# KiCad board motordecoder2-k3066v3-p.kicad_pcb
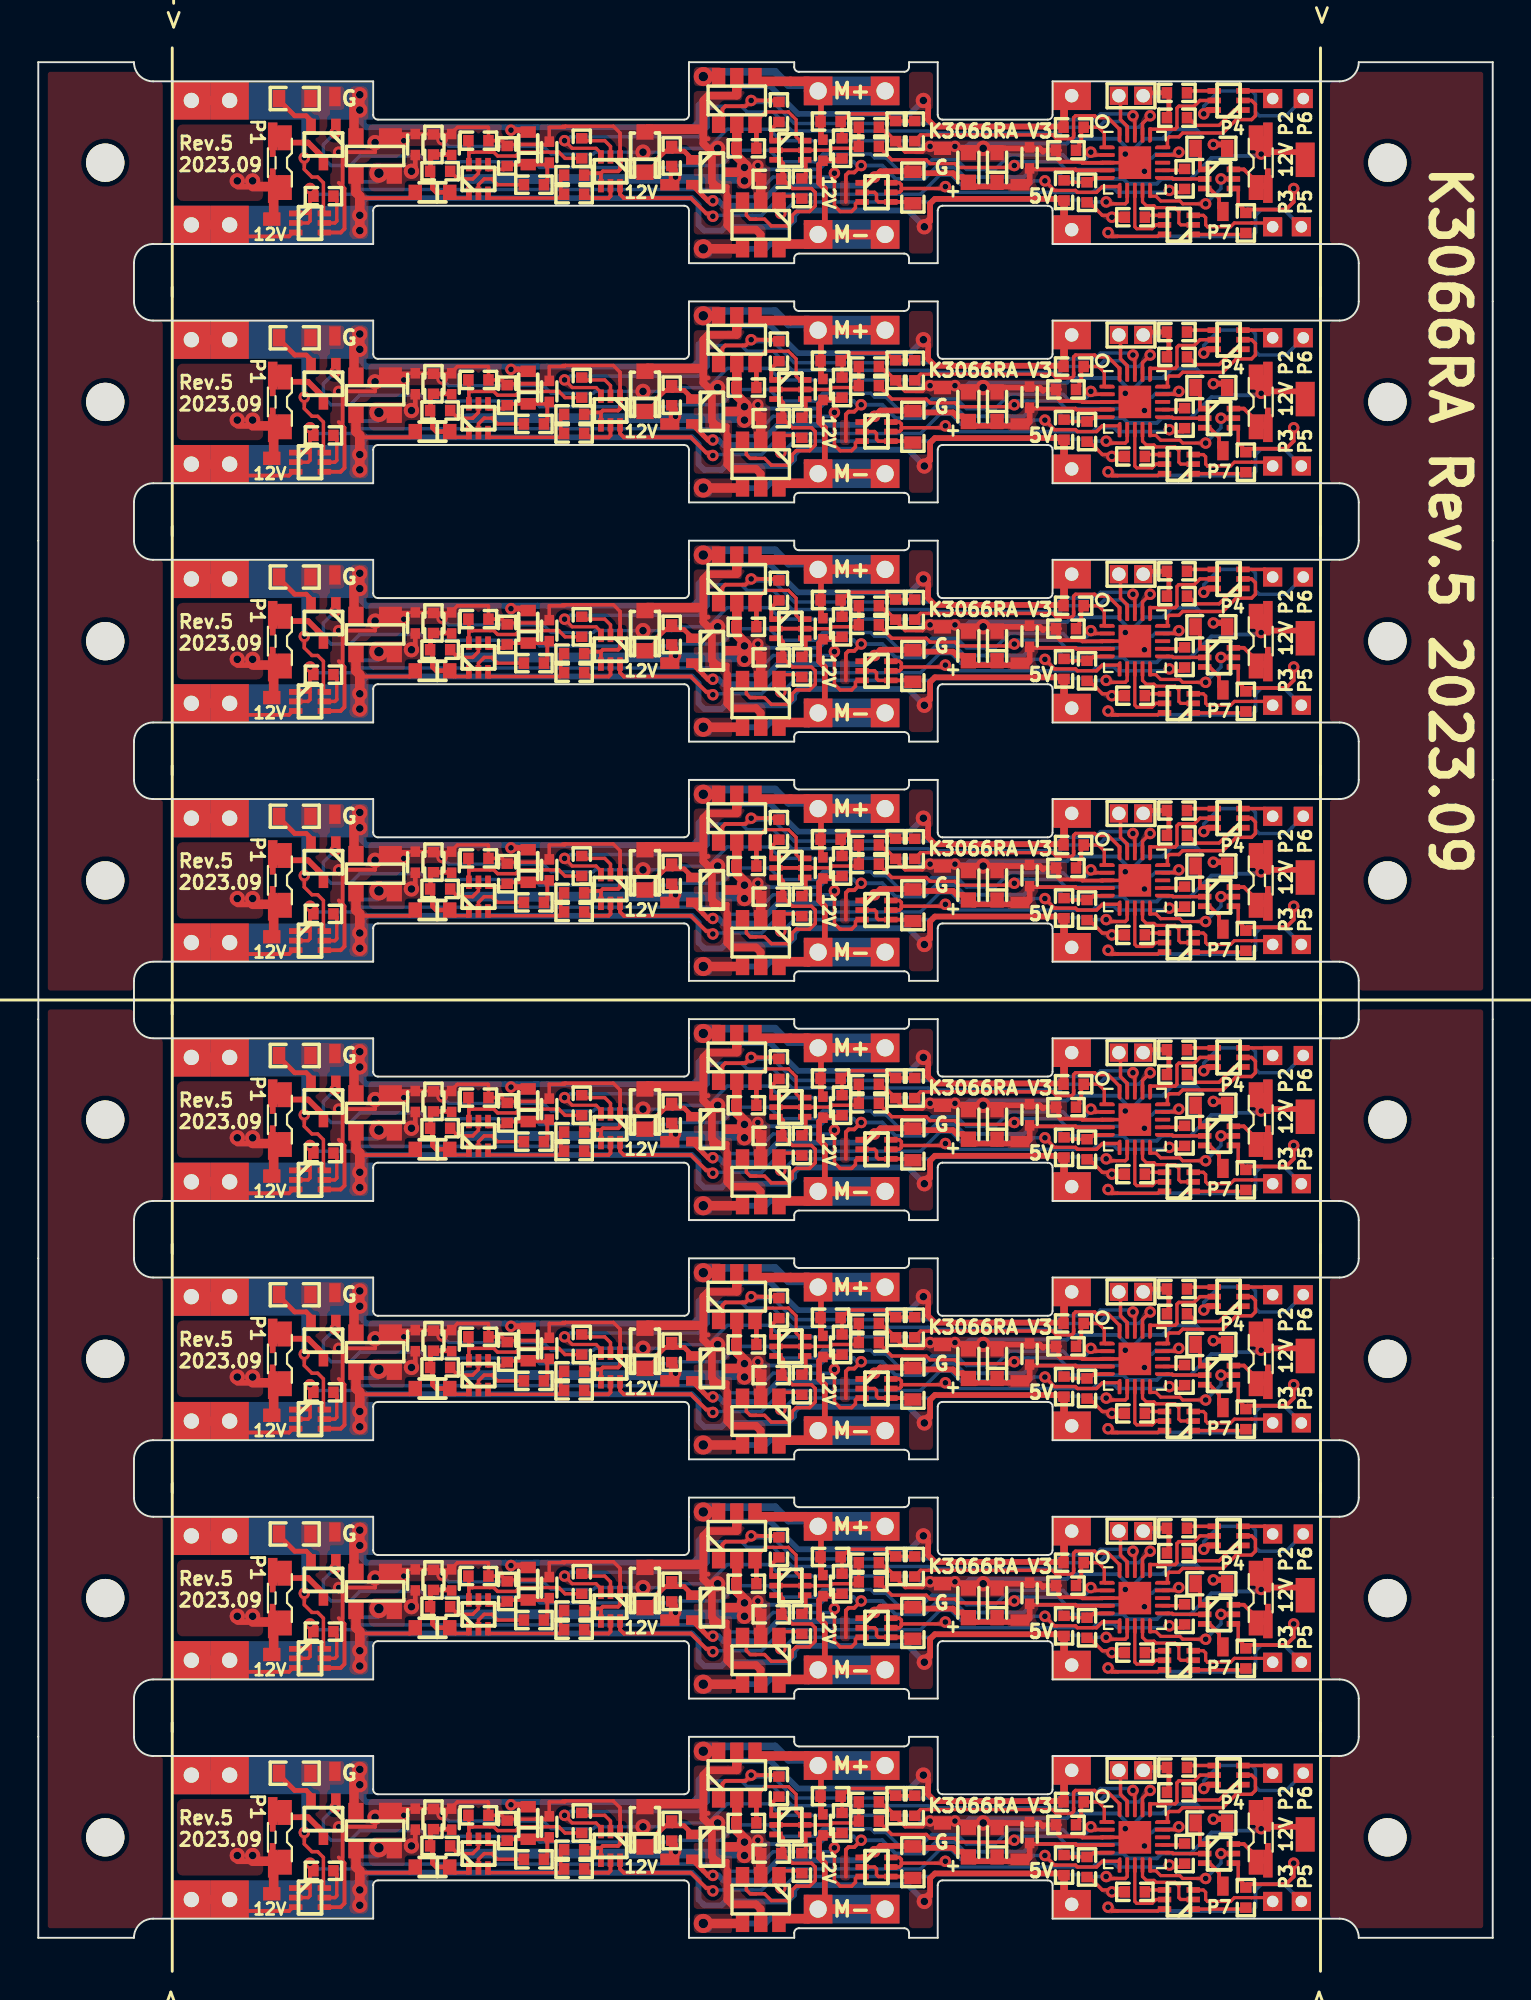
[diagram p0: board, top side]
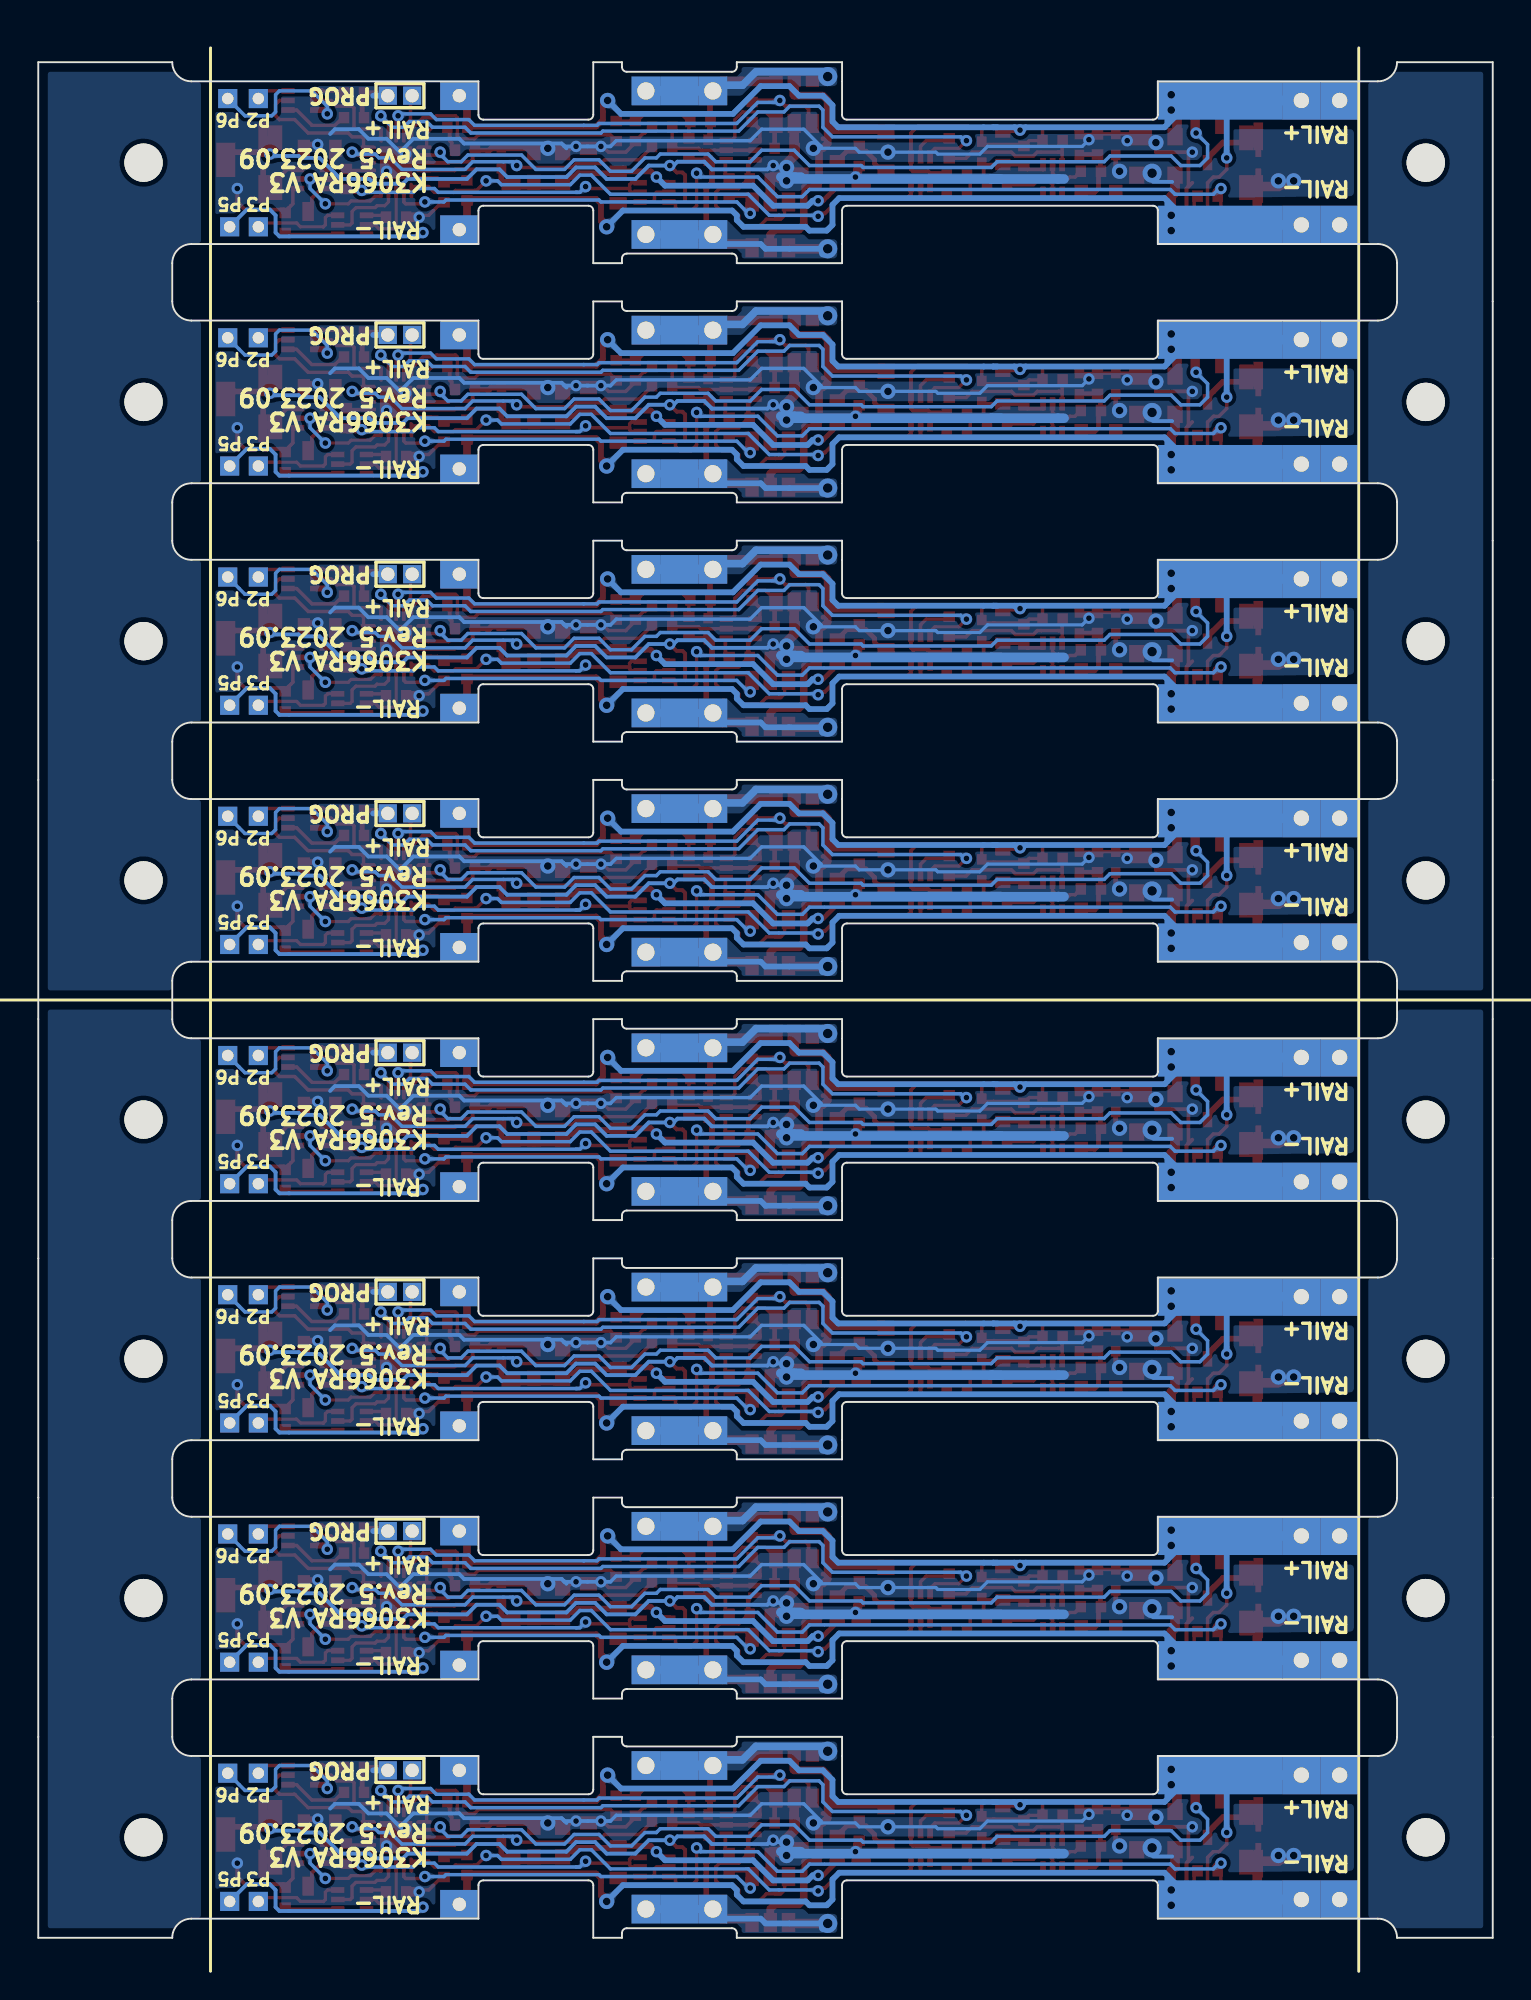
[diagram p1: board, bottom side, seen from below]

Outline 76 x 98 mm; copper layers: Top, Bottom. Coordinates in mm from the lower left corner of the outline.
Outline path: 0,98 0,0 5,0 arc(5.29,0.71) 6,1 17.5,1 17.5,2.75 arc(17.57,2.93) 17.75,3 33.75,3 arc(33.93,2.93) 34,2.75 34,0 39.5,0 39.5,0.25 arc(39.57,0.43) 39.75,0.5 45.25,0.5 arc(45.43,0.43) 45.5,0.25 45.5,0 47,0 47,2.75 arc(47.07,2.93) 47.25,3 52.75,3 arc(52.93,2.93) 53,2.75 53,1 68,1 arc(68.71,0.71) 69,0 76,0 76,98 69,98 arc(68.71,97.29) 68,97 53,97 53,95.25 arc(52.93,95.07) 52.75,95 47.25,95 arc(47.07,95.07) 47,95.25 47,98 45.5,98 45.5,97.75 arc(45.43,97.57) 45.25,97.5 39.75,97.5 arc(39.57,97.57) 39.5,97.75 39.5,98 34,98 34,95.25 arc(33.93,95.07) 33.75,95 17.75,95 arc(17.57,95.07) 17.5,95.25 17.5,97 6,97 arc(5.29,97.29) 5,98 0,98 ; 5,87.5 5,85.5 arc(5.29,84.79) 6,84.5 17.5,84.5 17.5,82.75 arc(17.57,82.57) 17.75,82.5 33.75,82.5 arc(33.93,82.57) 34,82.75 34,85.5 39.5,85.5 39.5,85.25 arc(39.57,85.07) 39.75,85 45.25,85 arc(45.43,85.07) 45.5,85.25 45.5,85.5 47,85.5 47,82.75 arc(47.07,82.57) 47.25,82.5 52.75,82.5 arc(52.93,82.57) 53,82.75 53,84.5 68,84.5 arc(68.71,84.79) 69,85.5 69,87.5 arc(68.71,88.21) 68,88.5 53,88.5 53,90.25 arc(52.93,90.43) 52.75,90.5 47.25,90.5 arc(47.07,90.43) 47,90.25 47,87.5 45.5,87.5 45.5,87.75 arc(45.43,87.93) 45.25,88 39.75,88 arc(39.57,87.93) 39.5,87.75 39.5,87.5 34,87.5 34,90.25 arc(33.93,90.43) 33.75,90.5 17.75,90.5 arc(17.57,90.43) 17.5,90.25 17.5,88.5 6,88.5 arc(5.29,88.21) 5,87.5 ; 5,75 5,73 arc(5.29,72.29) 6,72 17.5,72 17.5,70.25 arc(17.57,70.07) 17.75,70 33.75,70 arc(33.93,70.07) 34,70.25 34,73 39.5,73 39.5,72.75 arc(39.57,72.57) 39.75,72.5 45.25,72.5 arc(45.43,72.57) 45.5,72.75 45.5,73 47,73 47,70.25 arc(47.07,70.07) 47.25,70 52.75,70 arc(52.93,70.07) 53,70.25 53,72 68,72 arc(68.71,72.29) 69,73 69,75 arc(68.71,75.71) 68,76 53,76 53,77.75 arc(52.93,77.93) 52.75,78 47.25,78 arc(47.07,77.93) 47,77.75 47,75 45.5,75 45.5,75.25 arc(45.43,75.43) 45.25,75.5 39.75,75.5 arc(39.57,75.43) 39.5,75.25 39.5,75 34,75 34,77.75 arc(33.93,77.93) 33.75,78 17.75,78 arc(17.57,77.93) 17.5,77.75 17.5,76 6,76 arc(5.29,75.71) 5,75 ; 5,62.5 5,60.5 arc(5.29,59.79) 6,59.5 17.5,59.5 17.5,57.75 arc(17.57,57.57) 17.75,57.5 33.75,57.5 arc(33.93,57.57) 34,57.75 34,60.5 39.5,60.5 39.5,60.25 arc(39.57,60.07) 39.75,60 45.25,60 arc(45.43,60.07) 45.5,60.25 45.5,60.5 47,60.5 47,57.75 arc(47.07,57.57) 47.25,57.5 52.75,57.5 arc(52.93,57.57) 53,57.75 53,59.5 68,59.5 arc(68.71,59.79) 69,60.5 69,62.5 arc(68.71,63.21) 68,63.5 53,63.5 53,65.25 arc(52.93,65.43) 52.75,65.5 47.25,65.5 arc(47.07,65.43) 47,65.25 47,62.5 45.5,62.5 45.5,62.75 arc(45.43,62.93) 45.25,63 39.75,63 arc(39.57,62.93) 39.5,62.75 39.5,62.5 34,62.5 34,65.25 arc(33.93,65.43) 33.75,65.5 17.75,65.5 arc(17.57,65.43) 17.5,65.25 17.5,63.5 6,63.5 arc(5.29,63.21) 5,62.5 ; 5,50 5,48 arc(5.29,47.29) 6,47 17.5,47 17.5,45.25 arc(17.57,45.07) 17.75,45 33.75,45 arc(33.93,45.07) 34,45.25 34,48 39.5,48 39.5,47.75 arc(39.57,47.57) 39.75,47.5 45.25,47.5 arc(45.43,47.57) 45.5,47.75 45.5,48 47,48 47,45.25 arc(47.07,45.07) 47.25,45 52.75,45 arc(52.93,45.07) 53,45.25 53,47 68,47 arc(68.71,47.29) 69,48 69,50 arc(68.71,50.71) 68,51 53,51 53,52.75 arc(52.93,52.93) 52.75,53 47.25,53 arc(47.07,52.93) 47,52.75 47,50 45.5,50 45.5,50.25 arc(45.43,50.43) 45.25,50.5 39.75,50.5 arc(39.57,50.43) 39.5,50.25 39.5,50 34,50 34,52.75 arc(33.93,52.93) 33.75,53 17.75,53 arc(17.57,52.93) 17.5,52.75 17.5,51 6,51 arc(5.29,50.71) 5,50 ; 5,37.5 5,35.5 arc(5.29,34.79) 6,34.5 17.5,34.5 17.5,32.75 arc(17.57,32.57) 17.75,32.5 33.75,32.5 arc(33.93,32.57) 34,32.75 34,35.5 39.5,35.5 39.5,35.25 arc(39.57,35.07) 39.75,35 45.25,35 arc(45.43,35.07) 45.5,35.25 45.5,35.5 47,35.5 47,32.75 arc(47.07,32.57) 47.25,32.5 52.75,32.5 arc(52.93,32.57) 53,32.75 53,34.5 68,34.5 arc(68.71,34.79) 69,35.5 69,37.5 arc(68.71,38.21) 68,38.5 53,38.5 53,40.25 arc(52.93,40.43) 52.75,40.5 47.25,40.5 arc(47.07,40.43) 47,40.25 47,37.5 45.5,37.5 45.5,37.75 arc(45.43,37.93) 45.25,38 39.75,38 arc(39.57,37.93) 39.5,37.75 39.5,37.5 34,37.5 34,40.25 arc(33.93,40.43) 33.75,40.5 17.75,40.5 arc(17.57,40.43) 17.5,40.25 17.5,38.5 6,38.5 arc(5.29,38.21) 5,37.5 ; 5,25 5,23 arc(5.29,22.29) 6,22 17.5,22 17.5,20.25 arc(17.57,20.07) 17.75,20 33.75,20 arc(33.93,20.07) 34,20.25 34,23 39.5,23 39.5,22.75 arc(39.57,22.57) 39.75,22.5 45.25,22.5 arc(45.43,22.57) 45.5,22.75 45.5,23 47,23 47,20.25 arc(47.07,20.07) 47.25,20 52.75,20 arc(52.93,20.07) 53,20.25 53,22 68,22 arc(68.71,22.29) 69,23 69,25 arc(68.71,25.71) 68,26 53,26 53,27.75 arc(52.93,27.93) 52.75,28 47.25,28 arc(47.07,27.93) 47,27.75 47,25 45.5,25 45.5,25.25 arc(45.43,25.43) 45.25,25.5 39.75,25.5 arc(39.57,25.43) 39.5,25.25 39.5,25 34,25 34,27.75 arc(33.93,27.93) 33.75,28 17.75,28 arc(17.57,27.93) 17.5,27.75 17.5,26 6,26 arc(5.29,25.71) 5,25 ; 5,12.5 5,10.5 arc(5.29,9.79) 6,9.5 17.5,9.5 17.5,7.75 arc(17.57,7.57) 17.75,7.5 33.75,7.5 arc(33.93,7.57) 34,7.75 34,10.5 39.5,10.5 39.5,10.25 arc(39.57,10.07) 39.75,10 45.25,10 arc(45.43,10.07) 45.5,10.25 45.5,10.5 47,10.5 47,7.75 arc(47.07,7.57) 47.25,7.5 52.75,7.5 arc(52.93,7.57) 53,7.75 53,9.5 68,9.5 arc(68.71,9.79) 69,10.5 69,12.5 arc(68.71,13.21) 68,13.5 53,13.5 53,15.25 arc(52.93,15.43) 52.75,15.5 47.25,15.5 arc(47.07,15.43) 47,15.25 47,12.5 45.5,12.5 45.5,12.75 arc(45.43,12.93) 45.25,13 39.75,13 arc(39.57,12.93) 39.5,12.75 39.5,12.5 34,12.5 34,15.25 arc(33.93,15.43) 33.75,15.5 17.75,15.5 arc(17.57,15.43) 17.5,15.25 17.5,13.5 6,13.5 arc(5.29,13.21) 5,12.5
Stack: Top 0.035mm / dielectric 0.51mm FR4 er 4.5 / Bottom 0.035mm

## Placement (name value [footprint] x y rotation side)
1  -  [unnamed]  70.5 80.25 0 top
2  -  [unnamed]  70.5 67.75 0 top
3  -  [unnamed]  70.5 55.25 0 top
4  -  [unnamed]  70.5 42.75 0 top
5  -  [unnamed]  70.5 30.25 0 top
6  -  [unnamed]  70.5 17.75 0 top
7  -  [unnamed]  70.5 5.25 0 top
C1  104  [C_1005_v2]  19.7 93.7 90 top
C2  104  [C_1005_v2]  19.7 81.2 90 top
C3  226  [C_1608]  48.6 92.5 90 top
C4  476  [CP_1608]  50.1 92.5 90 top
C5  104  [C_1005_v2]  51.8 93 90 top
C6  226  [C_1608]  48.6 80 90 top
C7  182  [C_1005_v2]  41 93.4 270 top
C8  476  [CP_1608]  50.1 80 90 top
C9  104  [C_1005_v2]  51.8 80.5 90 top
C10  182  [C_1005_v2]  41 80.9 270 top
C11  105  [C_1005_v2]  26.7 93.3 90 top
C12  105  [C_1005_v2]  21.6 93.7 90 top
C13  105  [C_1005_v2]  26.7 80.8 90 top
C14  105  [C_1005_v2]  21.6 81.2 90 top
C15  104  [C_1005_v2]  19.7 68.7 90 top
C16  226  [C_1608]  48.6 67.5 90 top
C17  476  [CP_1608]  50.1 67.5 90 top
C18  104  [C_1005_v2]  51.8 68 90 top
C19  182  [C_1005_v2]  41 68.4 270 top
C20  105  [C_1005_v2]  26.7 68.3 90 top
C21  105  [C_1005_v2]  21.6 68.7 90 top
C22  104  [C_1005_v2]  19.7 56.2 90 top
C23  226  [C_1608]  48.6 55 90 top
C24  476  [CP_1608]  50.1 55 90 top
C25  104  [C_1005_v2]  51.8 55.5 90 top
C26  182  [C_1005_v2]  41 55.9 270 top
C27  105  [C_1005_v2]  26.7 55.8 90 top
C28  105  [C_1005_v2]  21.6 56.2 90 top
C29  104  [C_1005_v2]  19.7 43.7 90 top
C30  226  [C_1608]  48.6 42.5 90 top
C31  476  [CP_1608]  50.1 42.5 90 top
C32  104  [C_1005_v2]  51.8 43 90 top
C33  182  [C_1005_v2]  41 43.4 270 top
C34  105  [C_1005_v2]  26.7 43.3 90 top
C35  105  [C_1005_v2]  21.6 43.7 90 top
C36  104  [C_1005_v2]  19.7 31.2 90 top
C37  226  [C_1608]  48.6 30 90 top
C38  476  [CP_1608]  50.1 30 90 top
C39  104  [C_1005_v2]  51.8 30.5 90 top
C40  182  [C_1005_v2]  41 30.9 270 top
C41  105  [C_1005_v2]  26.7 30.8 90 top
C42  105  [C_1005_v2]  21.6 31.2 90 top
C43  104  [C_1005_v2]  19.7 18.7 90 top
C44  226  [C_1608]  48.6 17.5 90 top
C45  476  [CP_1608]  50.1 17.5 90 top
C46  104  [C_1005_v2]  51.8 18 90 top
C47  182  [C_1005_v2]  41 18.4 270 top
C48  105  [C_1005_v2]  26.7 18.3 90 top
C49  105  [C_1005_v2]  21.6 18.7 90 top
C50  104  [C_1005_v2]  19.7 6.2 90 top
C51  226  [C_1608]  48.6 5 90 top
C52  476  [CP_1608]  50.1 5 90 top
C53  104  [C_1005_v2]  51.8 5.5 90 top
C54  182  [C_1005_v2]  41 5.9 270 top
C55  105  [C_1005_v2]  26.7 5.8 90 top
C56  105  [C_1005_v2]  21.6 6.2 90 top
D1  BAS3007  [SOT-143]  17.6 93.1 180 top
D2  BAS3007  [SOT-143]  17.6 80.6 180 top
D3  UDZV5.6B  [UMD2]  31.7 93.3 270 top
D4  UDZV5.6B  [UMD2]  31.7 80.8 270 top
D5  BAS3007  [SOT-143]  17.6 68.1 180 top
D6  UDZV5.6B  [UMD2]  31.7 68.3 270 top
D7  BAS3007  [SOT-143]  17.6 55.6 180 top
D8  UDZV5.6B  [UMD2]  31.7 55.8 270 top
D9  BAS3007  [SOT-143]  17.6 43.1 180 top
D10  UDZV5.6B  [UMD2]  31.7 43.3 270 top
D11  LED  [LED_1224_1005_SIDE_BIG2]  12 92.75 270 top
D12  LED  [LED_1224_1005_SIDE_BIG2]  64.5 92.75 90 top
D13  LED  [LED_1224_1005_SIDE_BIG2]  12 80.25 270 top
D14  LED  [LED_1224_1005_SIDE_BIG2]  64.5 80.25 90 top
D15  LED  [LED_1224_1005_SIDE_BIG2]  12 67.75 270 top
D16  LED  [LED_1224_1005_SIDE_BIG2]  64.5 67.75 90 top
D17  LED  [LED_1224_1005_SIDE_BIG2]  12 55.25 270 top
D18  LED  [LED_1224_1005_SIDE_BIG2]  64.5 55.25 90 top
D19  LED  [LED_1224_1005_SIDE_BIG2]  12 42.75 270 top
D20  LED  [LED_1224_1005_SIDE_BIG2]  64.5 42.75 90 top
D21  BAT43XV2  [EMD2_small]  25.6 93.5 270 top
D22  BAT43XV2  [EMD2]  20.6 91.2 0 top
D23  BAT43XV2  [EMD2_small]  25.6 81 270 top
D24  BAT43XV2  [EMD2]  20.6 78.7 0 top
D25  BAT43XV2  [EMD2_small]  25.6 68.5 270 top
D26  BAT43XV2  [EMD2]  20.6 66.2 0 top
D27  BAT43XV2  [EMD2_small]  25.6 56 270 top
D28  BAT43XV2  [EMD2]  20.6 53.7 0 top
D29  BAT43XV2  [EMD2_small]  25.6 43.5 270 top
D30  BAT43XV2  [EMD2]  20.6 41.2 0 top
D31  BAS3007  [SOT-143]  17.6 30.6 180 top
D32  UDZV5.6B  [UMD2]  31.7 30.8 270 top
D33  LED  [LED_1224_1005_SIDE_BIG2]  12 30.25 270 top
D34  LED  [LED_1224_1005_SIDE_BIG2]  64.5 30.25 90 top
D35  BAT43XV2  [EMD2_small]  25.6 31 270 top
D36  BAT43XV2  [EMD2]  20.6 28.7 0 top
D37  BAS3007  [SOT-143]  17.6 18.1 180 top
D38  UDZV5.6B  [UMD2]  31.7 18.3 270 top
D39  LED  [LED_1224_1005_SIDE_BIG2]  12 17.75 270 top
D40  LED  [LED_1224_1005_SIDE_BIG2]  64.5 17.75 90 top
D41  BAT43XV2  [EMD2_small]  25.6 18.5 270 top
D42  BAT43XV2  [EMD2]  20.6 16.2 0 top
D43  BAS3007  [SOT-143]  17.6 5.6 180 top
D44  UDZV5.6B  [UMD2]  31.7 5.8 270 top
D45  LED  [LED_1224_1005_SIDE_BIG2]  12 5.25 270 top
D46  LED  [LED_1224_1005_SIDE_BIG2]  64.5 5.25 90 top
D47  BAT43XV2  [EMD2_small]  25.6 6 270 top
D48  BAT43XV2  [EMD2]  20.6 3.7 0 top
J11  PAD  [PAD_1.0x1.8_SMD]  66.2 92.9 0 top
J12  PAD  [PAD_1.0x1.0_Hole0.6]  66 89.4 90 top
J13  PAD  [PAD_0.6x1.0_SMD]  33 91.6 90 top
J14  PAD  [PAD_1.0x1.0_Hole0.6]  64.5 89.4 90 top
J15  PAD  [PAD_1.0x1.8_SMD]  66.2 80.4 0 top
J16  PAD  [PAD_1.0x1.0_Hole0.6]  66.1 96.1 270 top
J17  PAD  [PAD_1.0x1.0_Hole0.6]  66 76.9 90 top
J18  PAD  [PAD_1.0x1.0_Hole0.6]  64.5 96.1 0 top
J19  PAD  [PAD_0.6x1.0_SMD]  61.9 90.2 0 top
J20  PAD  [PAD_0.6x1.0_SMD]  33 79.1 90 top
J21  PAD  [PAD_1.0x1.0_Hole0.6]  64.5 76.9 90 top
J22  PAD  [PAD_1.0x1.0_Hole0.6]  66.1 83.6 270 top
J23  PAD  [PAD_1.0x1.0_Hole0.6]  64.5 83.6 0 top
J24  PAD  [PAD_0.6x1.0_SMD]  61.9 77.7 0 top
J25  PAD  [PAD_1.0x1.8_SMD]  66.2 67.9 0 top
J26  PAD  [PAD_1.0x1.0_Hole0.6]  66 64.4 90 top
J27  PAD  [PAD_0.6x1.0_SMD]  33 66.6 90 top
J28  PAD  [PAD_1.0x1.0_Hole0.6]  64.5 64.4 90 top
J29  PAD  [PAD_1.0x1.0_Hole0.6]  66.1 71.1 270 top
J30  PAD  [PAD_1.0x1.0_Hole0.6]  64.5 71.1 0 top
J31  PAD  [PAD_0.6x1.0_SMD]  61.9 65.2 0 top
J32  PAD  [PAD_1.0x1.8_SMD]  66.2 55.4 0 top
J33  PAD  [PAD_1.0x1.0_Hole0.6]  66 51.9 90 top
J34  PAD  [PAD_0.6x1.0_SMD]  33 54.1 90 top
J35  PAD  [PAD_1.0x1.0_Hole0.6]  64.5 51.9 90 top
J36  PAD  [PAD_1.0x1.0_Hole0.6]  66.1 58.6 270 top
J37  PAD  [PAD_1.0x1.0_Hole0.6]  64.5 58.6 0 top
J38  PAD  [PAD_0.6x1.0_SMD]  61.9 52.7 0 top
J39  PAD  [PAD_1.0x1.8_SMD]  66.2 42.9 0 top
J40  PAD  [PAD_1.0x1.0_Hole0.6]  66 39.4 90 top
J41  PAD  [PAD_0.6x1.0_SMD]  33 41.6 90 top
J42  PAD  [PAD_1.0x1.0_Hole0.6]  64.5 39.4 90 top
J43  PAD  [PAD_1.0x1.0_Hole0.6]  66.1 46.1 270 top
J44  PAD  [PAD_1.0x1.0_Hole0.6]  64.5 46.1 0 top
J45  PAD  [PAD_0.6x1.0_SMD]  61.9 40.2 0 top
J46  PAD  [PAD_1.0x1.8_SMD]  66.2 30.4 0 top
J47  PAD  [PAD_1.0x1.0_Hole0.6]  66 26.9 90 top
J48  PAD  [PAD_0.6x1.0_SMD]  33 29.1 90 top
J49  PAD  [PAD_1.0x1.0_Hole0.6]  64.5 26.9 90 top
J50  PAD  [PAD_1.0x1.0_Hole0.6]  66.1 33.6 270 top
J51  PAD  [PAD_1.0x1.0_Hole0.6]  64.5 33.6 0 top
J52  PAD  [PAD_0.6x1.0_SMD]  61.9 27.7 0 top
J53  PAD  [PAD_1.0x1.8_SMD]  66.2 17.9 0 top
J54  PAD  [PAD_1.0x1.0_Hole0.6]  66 14.4 90 top
J55  PAD  [PAD_0.6x1.0_SMD]  33 16.6 90 top
J56  PAD  [PAD_1.0x1.0_Hole0.6]  64.5 14.4 90 top
J57  PAD  [PAD_1.0x1.0_Hole0.6]  66.1 21.1 270 top
J58  PAD  [PAD_1.0x1.0_Hole0.6]  64.5 21.1 0 top
J59  PAD  [PAD_0.6x1.0_SMD]  61.9 15.2 0 top
J60  PAD  [PAD_1.0x1.8_SMD]  66.2 5.4 0 top
J61  PAD  [PAD_1.0x1.0_Hole0.6]  66 1.9 90 top
J62  PAD  [PAD_0.6x1.0_SMD]  33 4.1 90 top
J63  PAD  [PAD_1.0x1.0_Hole0.6]  64.5 1.9 90 top
J64  PAD  [PAD_1.0x1.0_Hole0.6]  66.1 8.6 270 top
J65  PAD  [PAD_1.0x1.0_Hole0.6]  64.5 8.6 0 top
J66  PAD  [PAD_0.6x1.0_SMD]  61.9 2.7 0 top
NOREF  -  [unnamed]  70.5 92.75 0 top
P1  PAD  [KATO_FRAMEPAD_3066_v2]  9 96 180 top
P2  PAD  [KATO_FRAMEPAD_3066_2]  54 96.25 0 top
P3  PAD  [KATO_FRAMEPAD_3066_v2]  9 89.5 180 top
P4  PAD  [KATO_FRAMEPAD_3066_2]  54 89.25 0 top
P5  PAD  [KATO_MOTORPAD_3066]  42.5 96.5 0 top
P6  PAD  [KATO_MOTORPAD_3066]  42.5 89 0 top
P7  PAD  [PAD_0.7x0.9_SMD]  12.2 89.8 270 top
P8  PAD  [PAD_0.6x1.0_SMD]  15.5 96.2 180 top
P9  PROG  [PAD_PROG_2PIN_HOLE0.7]  57.1 96.25 0 top
P10  PAD  [PAD_0.6x1.0_SMD]  51.3 91.6 90 top
P11  PAD  [PAD_0.7x0.9_SMD]  47.25 93.5 90 top
P12  PAD  [KATO_FRAMEPAD_3066_v2]  9 83.5 180 top
P13  PAD  [KATO_FRAMEPAD_3066_2]  54 83.75 0 top
P14  PAD  [KATO_FRAMEPAD_3066_v2]  9 77 180 top
P15  PAD  [KATO_FRAMEPAD_3066_2]  54 76.75 0 top
P16  PAD  [KATO_MOTORPAD_3066]  42.5 84 0 top
P17  PAD  [KATO_MOTORPAD_3066]  42.5 76.5 0 top
P18  PAD  [PAD_0.7x0.9_SMD]  12.2 77.3 270 top
P19  PAD  [PAD_0.6x1.0_SMD]  15.5 83.7 180 top
P20  PROG  [PAD_PROG_2PIN_HOLE0.7]  57.1 83.75 0 top
P21  PAD  [PAD_0.6x1.0_SMD]  51.3 79.1 90 top
P22  PAD  [PAD_0.7x0.9_SMD]  47.25 81 90 top
P23  PAD  [KATO_FRAMEPAD_3066_v2]  9 71 180 top
P24  PAD  [KATO_FRAMEPAD_3066_2]  54 71.25 0 top
P25  PAD  [KATO_FRAMEPAD_3066_v2]  9 64.5 180 top
P26  PAD  [KATO_FRAMEPAD_3066_2]  54 64.25 0 top
P27  PAD  [KATO_MOTORPAD_3066]  42.5 71.5 0 top
P28  PAD  [KATO_MOTORPAD_3066]  42.5 64 0 top
P29  PAD  [PAD_0.7x0.9_SMD]  12.2 64.8 270 top
P30  PAD  [PAD_0.6x1.0_SMD]  15.5 71.2 180 top
P31  PROG  [PAD_PROG_2PIN_HOLE0.7]  57.1 71.25 0 top
P32  PAD  [PAD_0.6x1.0_SMD]  51.3 66.6 90 top
P33  PAD  [PAD_0.7x0.9_SMD]  47.25 68.5 90 top
P34  PAD  [KATO_FRAMEPAD_3066_v2]  9 58.5 180 top
P35  PAD  [KATO_FRAMEPAD_3066_2]  54 58.75 0 top
P36  PAD  [KATO_FRAMEPAD_3066_v2]  9 52 180 top
P37  PAD  [KATO_FRAMEPAD_3066_2]  54 51.75 0 top
P38  PAD  [KATO_MOTORPAD_3066]  42.5 59 0 top
P39  PAD  [KATO_MOTORPAD_3066]  42.5 51.5 0 top
P40  PAD  [PAD_0.7x0.9_SMD]  12.2 52.3 270 top
P41  PAD  [PAD_0.6x1.0_SMD]  15.5 58.7 180 top
P42  PROG  [PAD_PROG_2PIN_HOLE0.7]  57.1 58.75 0 top
P43  PAD  [PAD_0.6x1.0_SMD]  51.3 54.1 90 top
P44  PAD  [PAD_0.7x0.9_SMD]  47.25 56 90 top
P45  PAD  [KATO_FRAMEPAD_3066_v2]  9 46 180 top
P46  PAD  [KATO_FRAMEPAD_3066_2]  54 46.25 0 top
P47  PAD  [KATO_FRAMEPAD_3066_v2]  9 39.5 180 top
P48  PAD  [KATO_FRAMEPAD_3066_2]  54 39.25 0 top
P49  PAD  [KATO_MOTORPAD_3066]  42.5 46.5 0 top
P50  PAD  [KATO_MOTORPAD_3066]  42.5 39 0 top
P51  PAD  [PAD_0.7x0.9_SMD]  12.2 39.8 270 top
P52  PAD  [PAD_0.6x1.0_SMD]  15.5 46.2 180 top
P53  PROG  [PAD_PROG_2PIN_HOLE0.7]  57.1 46.25 0 top
P54  PAD  [PAD_0.6x1.0_SMD]  51.3 41.6 90 top
P55  PAD  [PAD_0.7x0.9_SMD]  47.25 43.5 90 top
P56  PAD  [KATO_FRAMEPAD_3066_v2]  9 33.5 180 top
P57  PAD  [KATO_FRAMEPAD_3066_2]  54 33.75 0 top
P58  PAD  [KATO_FRAMEPAD_3066_v2]  9 27 180 top
P59  PAD  [KATO_FRAMEPAD_3066_2]  54 26.75 0 top
P60  PAD  [KATO_MOTORPAD_3066]  42.5 34 0 top
P61  PAD  [KATO_MOTORPAD_3066]  42.5 26.5 0 top
P62  PAD  [PAD_0.7x0.9_SMD]  12.2 27.3 270 top
P63  PAD  [PAD_0.6x1.0_SMD]  15.5 33.7 180 top
P64  PROG  [PAD_PROG_2PIN_HOLE0.7]  57.1 33.75 0 top
P65  PAD  [PAD_0.6x1.0_SMD]  51.3 29.1 90 top
P66  PAD  [PAD_0.7x0.9_SMD]  47.25 31 90 top
P67  PAD  [KATO_FRAMEPAD_3066_v2]  9 21 180 top
P68  PAD  [KATO_FRAMEPAD_3066_2]  54 21.25 0 top
P69  PAD  [KATO_FRAMEPAD_3066_v2]  9 14.5 180 top
P70  PAD  [KATO_FRAMEPAD_3066_2]  54 14.25 0 top
P71  PAD  [KATO_MOTORPAD_3066]  42.5 21.5 0 top
P72  PAD  [KATO_MOTORPAD_3066]  42.5 14 0 top
P73  PAD  [PAD_0.7x0.9_SMD]  12.2 14.8 270 top
P74  PAD  [PAD_0.6x1.0_SMD]  15.5 21.2 180 top
P75  PROG  [PAD_PROG_2PIN_HOLE0.7]  57.1 21.25 0 top
P76  PAD  [PAD_0.6x1.0_SMD]  51.3 16.6 90 top
P77  PAD  [PAD_0.7x0.9_SMD]  47.25 18.5 90 top
P78  PAD  [KATO_FRAMEPAD_3066_v2]  9 8.5 180 top
P79  PAD  [KATO_FRAMEPAD_3066_2]  54 8.75 0 top
P80  PAD  [KATO_FRAMEPAD_3066_v2]  9 2 180 top
P81  PAD  [KATO_FRAMEPAD_3066_2]  54 1.75 0 top
P82  PAD  [KATO_MOTORPAD_3066]  42.5 9 0 top
P83  PAD  [KATO_MOTORPAD_3066]  42.5 1.5 0 top
P84  PAD  [PAD_0.7x0.9_SMD]  12.2 2.3 270 top
P85  PAD  [PAD_0.6x1.0_SMD]  15.5 8.7 180 top
P86  PROG  [PAD_PROG_2PIN_HOLE0.7]  57.1 8.75 0 top
P87  PAD  [PAD_0.6x1.0_SMD]  51.3 4.1 90 top
P88  PAD  [PAD_0.7x0.9_SMD]  47.25 6 90 top
Q1  DMG6601LVT  [SOT-23-6]  36.5 96 0 top
Q2  DMG6601LVT  [SOT-23-6]  37.75 89.5 180 top
Q3  PMBT3904VS  [SOT-666-nomark]  39.3 93.4 0 top
Q4  DMG6601LVT  [SOT-23-6]  36.5 83.5 0 top
Q5  2SC4116  [SC-70_v2]  35.2 92.25 270 top
Q6  PMBT3906VS  [SOT-666-nomark]  43.8 91.2 0 top
Q7  DMG6601LVT  [SOT-23-6]  37.75 77 180 top
Q8  PMBT3904VS  [SOT-666-nomark]  14.2 89.6 0 top
Q9  PMBT3904VS  [SOT-666-nomark]  39.3 80.9 0 top
Q10  2SC4116  [SC-70_v2]  35.2 79.75 270 top
Q11  SSM3K7002BFU  [SC-70_v2]  14.9 93.7 180 top
Q12  SSM6N7002BFE  [SOT-666-nomark]  61.7 91.9 0 top
Q13  SSM6N7002BFE  [SOT-666-nomark]  59.6 89.5 180 top
Q14  SSM6N7002BFE  [SOT-666-nomark]  62.2 96 180 top
Q15  PMBT3906VS  [SOT-666-nomark]  43.8 78.7 0 top
Q16  PMBT3904VS  [SOT-666-nomark]  14.2 77.1 0 top
Q17  SSM3K7002BFU  [SC-70_v2]  14.9 81.2 180 top
Q18  SSM6N7002BFE  [SOT-666-nomark]  61.7 79.4 0 top
Q19  SSM6N7002BFE  [SOT-666-nomark]  59.6 77 180 top
Q20  SSM6N7002BFE  [SOT-666-nomark]  62.2 83.5 180 top
Q21  PMBT3906VS  [SOT-666-nomark]  23 91.9 90 top
Q22  SSM6N7002BFE  [SOT-666-nomark]  29.9 92.3 270 top
Q23  PMBT3906VS  [SOT-666-nomark]  23 79.4 90 top
Q24  SSM6N7002BFE  [SOT-666-nomark]  29.9 79.8 270 top
Q25  DMG6601LVT  [SOT-23-6]  36.5 71 0 top
Q26  DMG6601LVT  [SOT-23-6]  37.75 64.5 180 top
Q27  PMBT3904VS  [SOT-666-nomark]  39.3 68.4 0 top
Q28  2SC4116  [SC-70_v2]  35.2 67.25 270 top
Q29  PMBT3906VS  [SOT-666-nomark]  43.8 66.2 0 top
Q30  PMBT3904VS  [SOT-666-nomark]  14.2 64.6 0 top
Q31  SSM3K7002BFU  [SC-70_v2]  14.9 68.7 180 top
Q32  SSM6N7002BFE  [SOT-666-nomark]  61.7 66.9 0 top
Q33  SSM6N7002BFE  [SOT-666-nomark]  59.6 64.5 180 top
Q34  SSM6N7002BFE  [SOT-666-nomark]  62.2 71 180 top
Q35  PMBT3906VS  [SOT-666-nomark]  23 66.9 90 top
Q36  SSM6N7002BFE  [SOT-666-nomark]  29.9 67.3 270 top
Q37  DMG6601LVT  [SOT-23-6]  36.5 58.5 0 top
Q38  DMG6601LVT  [SOT-23-6]  37.75 52 180 top
Q39  PMBT3904VS  [SOT-666-nomark]  39.3 55.9 0 top
Q40  2SC4116  [SC-70_v2]  35.2 54.75 270 top
Q41  PMBT3906VS  [SOT-666-nomark]  43.8 53.7 0 top
Q42  PMBT3904VS  [SOT-666-nomark]  14.2 52.1 0 top
Q43  SSM3K7002BFU  [SC-70_v2]  14.9 56.2 180 top
Q44  SSM6N7002BFE  [SOT-666-nomark]  61.7 54.4 0 top
Q45  SSM6N7002BFE  [SOT-666-nomark]  59.6 52 180 top
Q46  SSM6N7002BFE  [SOT-666-nomark]  62.2 58.5 180 top
Q47  PMBT3906VS  [SOT-666-nomark]  23 54.4 90 top
Q48  SSM6N7002BFE  [SOT-666-nomark]  29.9 54.8 270 top
Q49  DMG6601LVT  [SOT-23-6]  36.5 46 0 top
Q50  DMG6601LVT  [SOT-23-6]  37.75 39.5 180 top
Q51  PMBT3904VS  [SOT-666-nomark]  39.3 43.4 0 top
Q52  2SC4116  [SC-70_v2]  35.2 42.25 270 top
Q53  PMBT3906VS  [SOT-666-nomark]  43.8 41.2 0 top
Q54  PMBT3904VS  [SOT-666-nomark]  14.2 39.6 0 top
Q55  SSM3K7002BFU  [SC-70_v2]  14.9 43.7 180 top
Q56  SSM6N7002BFE  [SOT-666-nomark]  61.7 41.9 0 top
Q57  SSM6N7002BFE  [SOT-666-nomark]  59.6 39.5 180 top
Q58  SSM6N7002BFE  [SOT-666-nomark]  62.2 46 180 top
Q59  PMBT3906VS  [SOT-666-nomark]  23 41.9 90 top
Q60  SSM6N7002BFE  [SOT-666-nomark]  29.9 42.3 270 top
Q61  DMG6601LVT  [SOT-23-6]  36.5 33.5 0 top
Q62  DMG6601LVT  [SOT-23-6]  37.75 27 180 top
Q63  PMBT3904VS  [SOT-666-nomark]  39.3 30.9 0 top
Q64  2SC4116  [SC-70_v2]  35.2 29.75 270 top
Q65  PMBT3906VS  [SOT-666-nomark]  43.8 28.7 0 top
Q66  PMBT3904VS  [SOT-666-nomark]  14.2 27.1 0 top
Q67  SSM3K7002BFU  [SC-70_v2]  14.9 31.2 180 top
Q68  SSM6N7002BFE  [SOT-666-nomark]  61.7 29.4 0 top
Q69  SSM6N7002BFE  [SOT-666-nomark]  59.6 27 180 top
Q70  SSM6N7002BFE  [SOT-666-nomark]  62.2 33.5 180 top
Q71  PMBT3906VS  [SOT-666-nomark]  23 29.4 90 top
Q72  SSM6N7002BFE  [SOT-666-nomark]  29.9 29.8 270 top
Q73  DMG6601LVT  [SOT-23-6]  36.5 21 0 top
Q74  DMG6601LVT  [SOT-23-6]  37.75 14.5 180 top
Q75  PMBT3904VS  [SOT-666-nomark]  39.3 18.4 0 top
Q76  2SC4116  [SC-70_v2]  35.2 17.25 270 top
Q77  PMBT3906VS  [SOT-666-nomark]  43.8 16.2 0 top
Q78  PMBT3904VS  [SOT-666-nomark]  14.2 14.6 0 top
Q79  SSM3K7002BFU  [SC-70_v2]  14.9 18.7 180 top
Q80  SSM6N7002BFE  [SOT-666-nomark]  61.7 16.9 0 top
Q81  SSM6N7002BFE  [SOT-666-nomark]  59.6 14.5 180 top
Q82  SSM6N7002BFE  [SOT-666-nomark]  62.2 21 180 top
Q83  PMBT3906VS  [SOT-666-nomark]  23 16.9 90 top
Q84  SSM6N7002BFE  [SOT-666-nomark]  29.9 17.3 270 top
Q85  DMG6601LVT  [SOT-23-6]  36.5 8.5 0 top
Q86  DMG6601LVT  [SOT-23-6]  37.75 2 180 top
Q87  PMBT3904VS  [SOT-666-nomark]  39.3 5.9 0 top
Q88  2SC4116  [SC-70_v2]  35.2 4.75 270 top
Q89  PMBT3906VS  [SOT-666-nomark]  43.8 3.7 0 top
Q90  PMBT3904VS  [SOT-666-nomark]  14.2 2.1 0 top
Q91  SSM3K7002BFU  [SC-70_v2]  14.9 6.2 180 top
Q92  SSM6N7002BFE  [SOT-666-nomark]  61.7 4.4 0 top
Q93  SSM6N7002BFE  [SOT-666-nomark]  59.6 2 180 top
Q94  SSM6N7002BFE  [SOT-666-nomark]  62.2 8.5 180 top
Q95  PMBT3906VS  [SOT-666-nomark]  23 4.4 90 top
Q96  SSM6N7002BFE  [SOT-666-nomark]  29.9 4.8 270 top
R1  104  [R_1005]  54.1 94.6 0 top
R2  104  [R_1005]  53.6 91.3 90 top
R3  102  [R_1005]  37 93.5 0 top
R4  102  [R_1005]  38.3 91.9 0 top
R5  331  [R_1005]  38.7 95.4 90 top
R6  331  [R_1005]  39.9 91.4 270 top
R7  102  [R_1005]  43.4 93.6 180 top
R8  102  [R_1005]  43.4 94.6 0 top
R9  103  [R_1005]  41.4 94.9 180 top
R10  103  [R_1005]  42 93.5 270 top
R11  102  [R_1005]  45.8 94.4 90 top
R12  472  [R_1005]  33.1 93.1 90 top
R13  103  [R_1005]  59.9 91.9 90 top
R14  220  [R_1608_v2]  45.7 91.45 90 top
R15  682  [R_1005]  14.9 91 0 top
R16  103  [R_1005]  44.8 94.4 270 top
R17  104  [R_1005]  53.7 93.4 180 top
R18  104  [R_1005]  54.8 91.2 270 top
R19  104  [R_1005]  54.1 82.1 0 top
R20  104  [R_1005]  53.6 78.8 90 top
R21  151  [R_1608_v2]  13.4 96.1 0 top
R22  151  [R_1608_v2]  61.3 93.5 0 top
R23  472  [R_1005]  63.1 89.6 90 top
R24  472  [R_1005]  57.3 89.9 180 top
R25  472  [R_1005]  59.5 95.1 180 top
R26  472  [R_1005]  59.5 96.4 180 top
R27  102  [R_1005]  37 81 0 top
R28  102  [R_1005]  38.3 79.4 0 top
R29  331  [R_1005]  38.7 82.9 90 top
R30  331  [R_1005]  39.9 78.9 270 top
R31  102  [R_1005]  25.9 91.6 0 top
R32  103  [R_1005]  24.5 93.1 90 top
R33  472  [R_1005]  23 93.9 0 top
R34  103  [R_1005]  28.4 93.5 270 top
R35  102  [R_1005]  21 92.3 180 top
R36  103  [R_1005]  20.65 93.7 90 top
R37  472  [R_1005]  28 92.1 0 top
R38  103  [R_1005]  28 91.1 180 top
R39  102  [R_1005]  43.4 81.1 180 top
R40  102  [R_1005]  43.4 82.1 0 top
R41  103  [R_1005]  41.4 82.4 180 top
R42  103  [R_1005]  42 81 270 top
R43  102  [R_1005]  45.8 81.9 90 top
R44  472  [R_1005]  33.1 80.6 90 top
R45  103  [R_1005]  59.9 79.4 90 top
R46  220  [R_1608_v2]  45.7 78.95 90 top
R47  682  [R_1005]  14.9 78.5 0 top
R48  103  [R_1005]  44.8 81.9 270 top
R49  104  [R_1005]  53.7 80.9 180 top
R50  104  [R_1005]  54.8 78.7 270 top
R51  151  [R_1608_v2]  13.4 83.6 0 top
R52  151  [R_1608_v2]  61.3 81 0 top
R53  472  [R_1005]  63.1 77.1 90 top
R54  472  [R_1005]  57.3 77.4 180 top
R55  472  [R_1005]  59.5 82.6 180 top
R56  472  [R_1005]  59.5 83.9 180 top
R57  102  [R_1005]  25.9 79.1 0 top
R58  103  [R_1005]  24.5 80.6 90 top
R59  472  [R_1005]  23 81.4 0 top
R60  103  [R_1005]  28.4 81 270 top
R61  102  [R_1005]  21 79.8 180 top
R62  103  [R_1005]  20.65 81.2 90 top
R63  472  [R_1005]  28 79.6 0 top
R64  103  [R_1005]  28 78.6 180 top
R65  104  [R_1005]  54.1 69.6 0 top
R66  104  [R_1005]  53.6 66.3 90 top
R67  102  [R_1005]  37 68.5 0 top
R68  102  [R_1005]  38.3 66.9 0 top
R69  331  [R_1005]  38.7 70.4 90 top
R70  331  [R_1005]  39.9 66.4 270 top
R71  102  [R_1005]  43.4 68.6 180 top
R72  102  [R_1005]  43.4 69.6 0 top
R73  103  [R_1005]  41.4 69.9 180 top
R74  103  [R_1005]  42 68.5 270 top
R75  102  [R_1005]  45.8 69.4 90 top
R76  472  [R_1005]  33.1 68.1 90 top
R77  103  [R_1005]  59.9 66.9 90 top
R78  220  [R_1608_v2]  45.7 66.45 90 top
R79  682  [R_1005]  14.9 66 0 top
R80  103  [R_1005]  44.8 69.4 270 top
R81  104  [R_1005]  53.7 68.4 180 top
R82  104  [R_1005]  54.8 66.2 270 top
R83  151  [R_1608_v2]  13.4 71.1 0 top
R84  151  [R_1608_v2]  61.3 68.5 0 top
R85  472  [R_1005]  63.1 64.6 90 top
R86  472  [R_1005]  57.3 64.9 180 top
R87  472  [R_1005]  59.5 70.1 180 top
R88  472  [R_1005]  59.5 71.4 180 top
R89  102  [R_1005]  25.9 66.6 0 top
R90  103  [R_1005]  24.5 68.1 90 top
R91  472  [R_1005]  23 68.9 0 top
R92  103  [R_1005]  28.4 68.5 270 top
R93  102  [R_1005]  21 67.3 180 top
R94  103  [R_1005]  20.65 68.7 90 top
R95  472  [R_1005]  28 67.1 0 top
R96  103  [R_1005]  28 66.1 180 top
R97  104  [R_1005]  54.1 57.1 0 top
R98  104  [R_1005]  53.6 53.8 90 top
R99  102  [R_1005]  37 56 0 top
R100  102  [R_1005]  38.3 54.4 0 top
R101  331  [R_1005]  38.7 57.9 90 top
R102  331  [R_1005]  39.9 53.9 270 top
R103  102  [R_1005]  43.4 56.1 180 top
R104  102  [R_1005]  43.4 57.1 0 top
R105  103  [R_1005]  41.4 57.4 180 top
R106  103  [R_1005]  42 56 270 top
R107  102  [R_1005]  45.8 56.9 90 top
R108  472  [R_1005]  33.1 55.6 90 top
R109  103  [R_1005]  59.9 54.4 90 top
R110  220  [R_1608_v2]  45.7 53.95 90 top
R111  682  [R_1005]  14.9 53.5 0 top
R112  103  [R_1005]  44.8 56.9 270 top
R113  104  [R_1005]  53.7 55.9 180 top
R114  104  [R_1005]  54.8 53.7 270 top
R115  151  [R_1608_v2]  13.4 58.6 0 top
R116  151  [R_1608_v2]  61.3 56 0 top
R117  472  [R_1005]  63.1 52.1 90 top
R118  472  [R_1005]  57.3 52.4 180 top
R119  472  [R_1005]  59.5 57.6 180 top
R120  472  [R_1005]  59.5 58.9 180 top
R121  102  [R_1005]  25.9 54.1 0 top
R122  103  [R_1005]  24.5 55.6 90 top
R123  472  [R_1005]  23 56.4 0 top
R124  103  [R_1005]  28.4 56 270 top
R125  102  [R_1005]  21 54.8 180 top
R126  103  [R_1005]  20.65 56.2 90 top
R127  472  [R_1005]  28 54.6 0 top
R128  103  [R_1005]  28 53.6 180 top
R129  104  [R_1005]  54.1 44.6 0 top
R130  104  [R_1005]  53.6 41.3 90 top
R131  102  [R_1005]  37 43.5 0 top
R132  102  [R_1005]  38.3 41.9 0 top
R133  331  [R_1005]  38.7 45.4 90 top
R134  331  [R_1005]  39.9 41.4 270 top
R135  102  [R_1005]  43.4 43.6 180 top
R136  102  [R_1005]  43.4 44.6 0 top
R137  103  [R_1005]  41.4 44.9 180 top
R138  103  [R_1005]  42 43.5 270 top
R139  102  [R_1005]  45.8 44.4 90 top